# KiCad board distribution.kicad_pcb (continued)
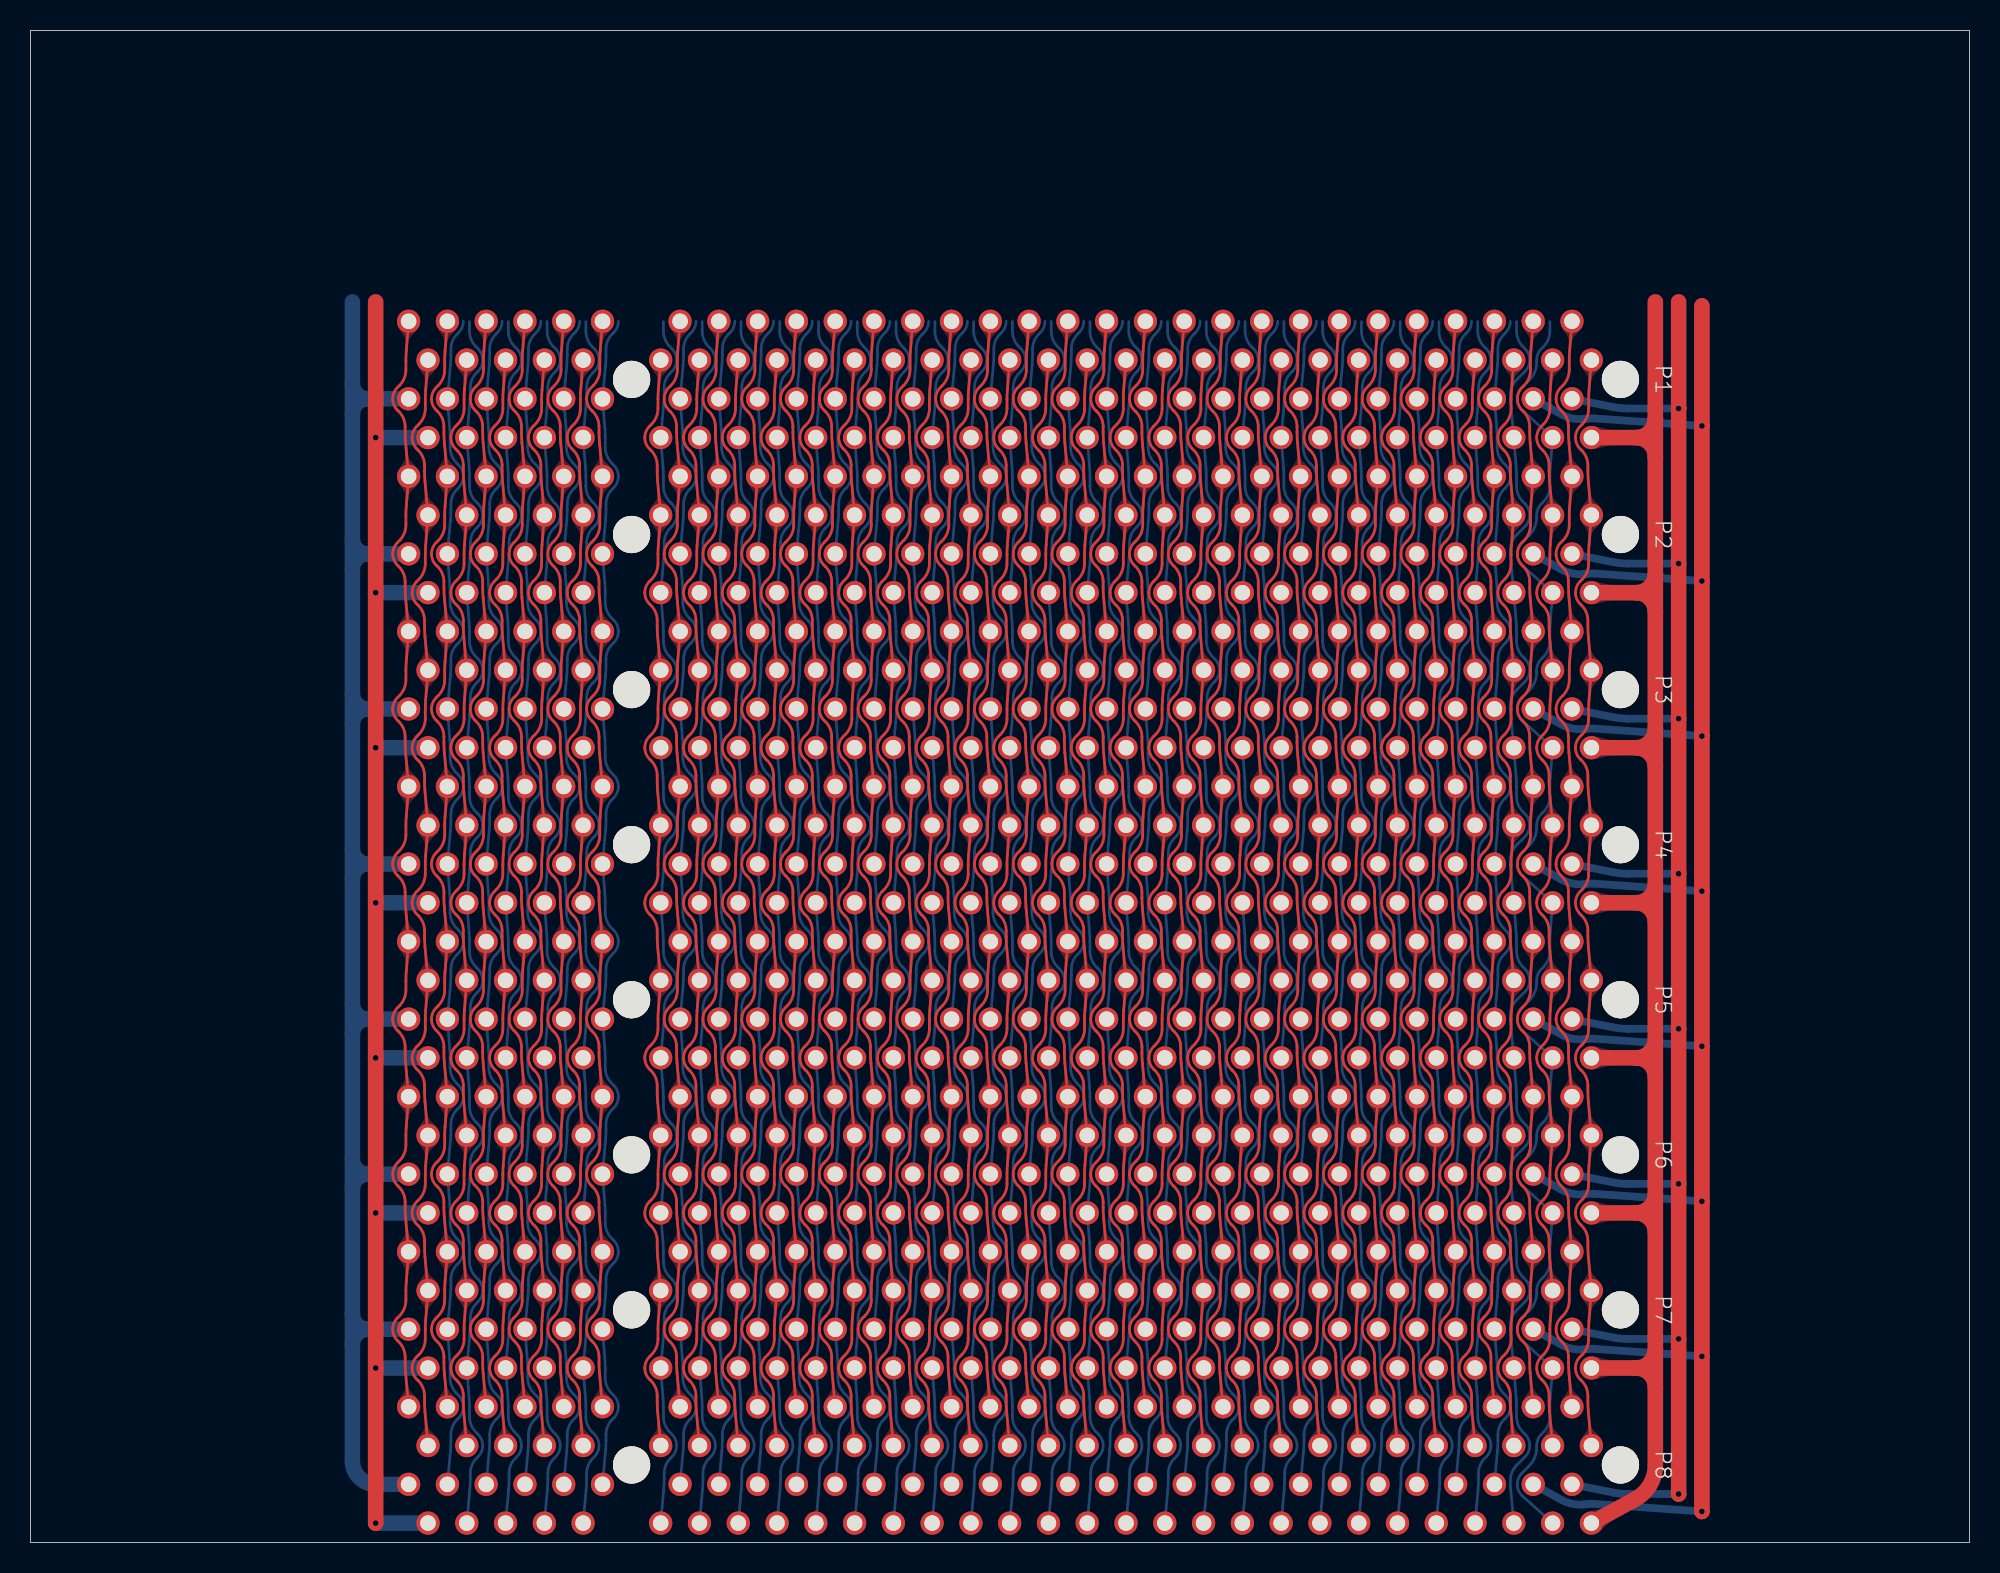
[diagram p0: board, top side]
## Routing (per net, layer and track width the routed paths; a pad name or vN(x,y) marks a point on that pad's centre or on a via; arc(x,y) is an arc through that point) (continued)
K: length 74.6
  Top w0.178: P8.B34 60.13,11.09 arc(60.1,11.43) 60.1,11.77 60.1,12.15 arc(59.99,12.68) 59.69,13.13 59.59,13.23 arc(59.36,13.57) 59.28,13.97 arc(59.36,14.37) 59.59,14.71 59.72,14.83 arc(60.03,15.31) 60.15,15.88 60.15,16.49 arc(60.15,16.79) 60.17,17.09 P7.B34 60.13,21.25 arc(60.1,21.59) 60.1,21.93 60.1,22.31 arc(59.99,22.84) 59.69,23.29 59.59,23.39 arc(59.36,23.73) 59.28,24.13 arc(59.36,24.53) 59.59,24.87 59.72,24.99 arc(60.03,25.47) 60.15,26.04 60.15,26.65 arc(60.15,26.95) 60.17,27.25 P6.B34 60.13,31.41 arc(60.1,31.75) 60.1,32.09 60.1,32.47 arc(59.99,33) 59.69,33.45 59.59,33.55 arc(59.36,33.89) 59.28,34.29 arc(59.36,34.69) 59.59,35.03 59.72,35.15 arc(60.03,35.63) 60.15,36.2 60.15,36.81 arc(60.15,37.11) 60.17,37.41 P5.B34 60.13,41.57 arc(60.1,41.91) 60.1,42.25 60.1,42.63 arc(59.99,43.16) 59.69,43.61 59.59,43.71 arc(59.36,44.05) 59.28,44.45 arc(59.36,44.85) 59.59,45.19 59.72,45.31 arc(60.03,45.79) 60.15,46.36 60.15,46.97 arc(60.15,47.27) 60.17,47.57 P4.B34 60.13,51.73 arc(60.1,52.07) 60.1,52.41 60.1,52.79 arc(59.99,53.32) 59.69,53.77 59.59,53.87 arc(59.36,54.21) 59.28,54.61 arc(59.36,55.01) 59.59,55.35 59.72,55.47 arc(60.03,55.95) 60.15,56.52 60.15,57.13 arc(60.15,57.43) 60.17,57.73 P3.B34 60.13,61.89 arc(60.1,62.23) 60.1,62.57 60.1,62.95 arc(59.99,63.48) 59.69,63.93 59.59,64.03 arc(59.36,64.37) 59.28,64.77 arc(59.36,65.17) 59.59,65.51 59.72,65.63 arc(60.03,66.11) 60.15,66.68 60.15,67.29 arc(60.15,67.59) 60.17,67.89 P2.B34 60.13,72.05 arc(60.1,72.39) 60.1,72.73 60.1,73.11 arc(59.99,73.64) 59.69,74.09 59.59,74.19 arc(59.36,74.53) 59.28,74.93 arc(59.36,75.33) 59.59,75.67 59.72,75.79 arc(60.03,76.27) 60.15,76.84 60.15,77.45 arc(60.15,77.75) 60.17,78.05 P1.B34
K': length 74.6
  Top w0.178: P8.B36 57.59,11.09 arc(57.56,11.43) 57.56,11.77 57.56,12.15 arc(57.45,12.68) 57.15,13.13 57.05,13.23 arc(56.82,13.57) 56.74,13.97 arc(56.82,14.37) 57.05,14.71 57.18,14.83 arc(57.49,15.31) 57.61,15.88 57.61,16.49 arc(57.61,16.79) 57.63,17.09 P7.B36 57.59,21.25 arc(57.56,21.59) 57.56,21.93 57.56,22.31 arc(57.45,22.84) 57.15,23.29 57.05,23.39 arc(56.82,23.73) 56.74,24.13 arc(56.82,24.53) 57.05,24.87 57.18,24.99 arc(57.49,25.47) 57.61,26.04 57.61,26.65 arc(57.61,26.95) 57.63,27.25 P6.B36 57.59,31.41 arc(57.56,31.75) 57.56,32.09 57.56,32.47 arc(57.45,33) 57.15,33.45 57.05,33.55 arc(56.82,33.89) 56.74,34.29 arc(56.82,34.69) 57.05,35.03 57.18,35.15 arc(57.49,35.63) 57.61,36.2 57.61,36.81 arc(57.61,37.11) 57.63,37.41 P5.B36 57.59,41.57 arc(57.56,41.91) 57.56,42.25 57.56,42.63 arc(57.45,43.16) 57.15,43.61 57.05,43.71 arc(56.82,44.05) 56.74,44.45 arc(56.82,44.85) 57.05,45.19 57.18,45.31 arc(57.49,45.79) 57.61,46.36 57.61,46.97 arc(57.61,47.27) 57.63,47.57 P4.B36 57.59,51.73 arc(57.56,52.07) 57.56,52.41 57.56,52.79 arc(57.45,53.32) 57.15,53.77 57.05,53.87 arc(56.82,54.21) 56.74,54.61 arc(56.82,55.01) 57.05,55.35 57.18,55.47 arc(57.49,55.95) 57.61,56.52 57.61,57.13 arc(57.61,57.43) 57.63,57.73 P3.B36 57.59,61.89 arc(57.56,62.23) 57.56,62.57 57.56,62.95 arc(57.45,63.48) 57.15,63.93 57.05,64.03 arc(56.82,64.37) 56.74,64.77 arc(56.82,65.17) 57.05,65.51 57.18,65.63 arc(57.49,66.11) 57.61,66.68 57.61,67.29 arc(57.61,67.59) 57.63,67.89 P2.B36 57.59,72.05 arc(57.56,72.39) 57.56,72.73 57.56,73.11 arc(57.45,73.64) 57.15,74.09 57.05,74.19 arc(56.82,74.53) 56.74,74.93 arc(56.82,75.33) 57.05,75.67 57.18,75.79 arc(57.49,76.27) 57.61,76.84 57.61,77.45 arc(57.61,77.75) 57.63,78.05 P1.B36
Kc: length 74.6
  Top w0.178: 28.58,77.47 28.42,75.51 arc(28.4,75.21) 28.4,74.91 28.4,74.3 arc(28.28,73.73) 27.97,73.25 27.84,73.13 arc(27.61,72.79) 27.53,72.39 arc(27.61,71.99) 27.84,71.65 27.94,71.55 arc(28.24,71.1) 28.35,70.57 28.35,70.19 arc(28.35,69.85) 28.38,69.51 28.58,67.31 28.42,65.35 arc(28.4,65.05) 28.4,64.75 28.4,64.14 arc(28.28,63.57) 27.97,63.09 27.84,62.97 arc(27.61,62.63) 27.53,62.23 arc(27.61,61.83) 27.84,61.49 27.94,61.39 arc(28.24,60.94) 28.35,60.41 28.35,60.03 arc(28.35,59.69) 28.38,59.35 28.58,57.15 28.42,55.19 arc(28.4,54.89) 28.4,54.59 28.4,53.98 arc(28.28,53.41) 27.97,52.93 27.84,52.81 arc(27.61,52.47) 27.53,52.07 arc(27.61,51.67) 27.84,51.33 27.94,51.23 arc(28.24,50.78) 28.35,50.25 28.35,49.87 arc(28.35,49.53) 28.38,49.19 28.58,46.99 28.42,45.03 arc(28.4,44.73) 28.4,44.43 28.4,43.82 arc(28.28,43.25) 27.97,42.77 27.84,42.65 arc(27.61,42.31) 27.53,41.91 arc(27.61,41.51) 27.84,41.17 27.94,41.07 arc(28.24,40.62) 28.35,40.09 28.35,39.71 arc(28.35,39.37) 28.38,39.03 28.58,36.83 28.42,34.87 arc(28.4,34.57) 28.4,34.27 28.4,33.66 arc(28.28,33.09) 27.97,32.61 27.84,32.49 arc(27.61,32.15) 27.53,31.75 arc(27.61,31.35) 27.84,31.01 27.94,30.91 arc(28.24,30.46) 28.35,29.93 28.35,29.55 arc(28.35,29.21) 28.38,28.87 28.58,26.67 28.42,24.71 arc(28.4,24.41) 28.4,24.11 28.4,23.5 arc(28.28,22.93) 27.97,22.45 27.84,22.33 arc(27.61,21.99) 27.53,21.59 arc(27.61,21.19) 27.84,20.85 27.94,20.75 arc(28.24,20.3) 28.35,19.77 28.35,19.39 arc(28.35,19.05) 28.38,18.71 28.58,16.51 28.42,14.55 arc(28.4,14.25) 28.4,13.95 28.4,13.34 arc(28.28,12.77) 27.97,12.29 27.84,12.17 arc(27.61,11.83) 27.53,11.43 arc(27.61,11.03) 27.84,10.69 27.94,10.59 arc(28.24,10.14) 28.35,9.61 28.35,9.23 arc(28.35,8.89) 28.38,8.55 28.58,6.35
O1: length 79.9
  Bottom w0.178: P8.A44 47.82,6.01 arc(47.85,6.35) 47.85,6.69 47.85,7.07 arc(47.96,7.6) 48.26,8.05 48.36,8.15 arc(48.59,8.49) 48.67,8.89 arc(48.59,9.29) 48.36,9.63 48.23,9.75 arc(47.92,10.23) 47.8,10.8 47.8,11.41 arc(47.8,11.71) 47.78,12.01 P7.A44 47.82,16.17 arc(47.85,16.51) 47.85,16.85 47.85,17.23 arc(47.96,17.76) 48.26,18.21 48.36,18.31 arc(48.59,18.65) 48.67,19.05 arc(48.59,19.45) 48.36,19.79 48.23,19.91 arc(47.92,20.39) 47.8,20.96 47.8,21.57 arc(47.8,21.87) 47.78,22.17 P6.A44 47.82,26.33 arc(47.85,26.67) 47.85,27.01 47.85,27.39 arc(47.96,27.92) 48.26,28.37 48.36,28.47 arc(48.59,28.81) 48.67,29.21 arc(48.59,29.61) 48.36,29.95 48.23,30.07 arc(47.92,30.55) 47.8,31.12 47.8,31.73 arc(47.8,32.03) 47.78,32.33 P5.A44 47.82,36.49 arc(47.85,36.83) 47.85,37.17 47.85,37.55 arc(47.96,38.08) 48.26,38.53 48.36,38.63 arc(48.59,38.97) 48.67,39.37 arc(48.59,39.77) 48.36,40.11 48.23,40.23 arc(47.92,40.71) 47.8,41.28 47.8,41.89 arc(47.8,42.19) 47.78,42.49 P4.A44 47.82,46.65 arc(47.85,46.99) 47.85,47.33 47.85,47.71 arc(47.96,48.24) 48.26,48.69 48.36,48.79 arc(48.59,49.13) 48.67,49.53 arc(48.59,49.93) 48.36,50.27 48.23,50.39 arc(47.92,50.87) 47.8,51.44 47.8,52.05 arc(47.8,52.35) 47.78,52.65 P3.A44 47.82,56.81 arc(47.85,57.15) 47.85,57.49 47.85,57.87 arc(47.96,58.4) 48.26,58.85 48.36,58.95 arc(48.59,59.29) 48.67,59.69 arc(48.59,60.09) 48.36,60.43 48.23,60.55 arc(47.92,61.03) 47.8,61.6 47.8,62.21 arc(47.8,62.51) 47.78,62.81 P2.A44 47.82,66.97 arc(47.85,67.31) 47.85,67.65 47.85,68.03 arc(47.96,68.56) 48.26,69.01 48.36,69.11 arc(48.59,69.45) 48.67,69.85 arc(48.59,70.25) 48.36,70.59 48.23,70.71 arc(47.92,71.19) 47.8,71.76 47.8,72.37 arc(47.8,72.67) 47.78,72.97 P1.A44 47.82,77.13 arc(47.85,77.47) 47.85,77.81 47.85,78.19 arc(47.96,78.72) 48.26,79.17 48.36,79.27 arc(48.59,79.61) 48.67,80.01
P1: length 84.2
  Bottom w0.178: 97.33,79.99 97.33,79.38 arc(97.45,78.81) 97.76,78.33 97.89,78.21 arc(98.12,77.87) 98.2,77.47 arc(98.12,77.07) 97.89,76.73 97.36,76.2 arc(97.04,75.72) 96.93,75.16 96.93,74.86 P1.A5 97.31,70.43 arc(97.33,70.13) 97.33,69.83 97.33,69.22 arc(97.45,68.65) 97.76,68.17 97.89,68.05 arc(98.12,67.71) 98.2,67.31 arc(98.12,66.91) 97.89,66.57 97.36,66.04 arc(97.04,65.56) 96.93,65 96.93,64.7 P2.A5 97.31,60.27 arc(97.33,59.97) 97.33,59.67 97.33,59.06 arc(97.45,58.49) 97.76,58.01 97.89,57.89 arc(98.12,57.55) 98.2,57.15 arc(98.12,56.75) 97.89,56.41 97.36,55.88 arc(97.04,55.4) 96.93,54.84 96.93,54.54 P3.A5 97.31,50.11 arc(97.33,49.81) 97.33,49.51 97.33,48.9 arc(97.45,48.33) 97.76,47.85 97.89,47.73 arc(98.12,47.39) 98.2,46.99 arc(98.12,46.59) 97.89,46.25 97.36,45.72 arc(97.04,45.24) 96.93,44.68 96.93,44.38 P4.A5 97.31,39.95 arc(97.33,39.65) 97.33,39.35 97.33,38.74 arc(97.45,38.17) 97.76,37.69 97.89,37.57 arc(98.12,37.23) 98.2,36.83 arc(98.12,36.43) 97.89,36.09 97.36,35.56 arc(97.04,35.08) 96.93,34.52 96.93,34.22 P5.A5 97.31,29.79 arc(97.33,29.49) 97.33,29.19 97.33,28.58 arc(97.45,28.01) 97.76,27.53 97.89,27.41 arc(98.12,27.07) 98.2,26.67 arc(98.12,26.27) 97.89,25.93 97.36,25.4 arc(97.04,24.92) 96.93,24.36 96.93,24.06 P6.A5 97.31,19.63 arc(97.33,19.33) 97.33,19.03 97.33,18.42 arc(97.45,17.85) 97.76,17.37 97.89,17.25 arc(98.12,16.91) 98.2,16.51 arc(98.12,16.11) 97.89,15.77 97.36,15.24 arc(97.04,14.76) 96.93,14.2 96.93,13.9 P7.A5 97.31,9.47 arc(97.33,9.17) 97.33,8.87 97.33,8.26 arc(97.45,7.69) 97.76,7.21 97.89,7.09 arc(98.12,6.75) 98.2,6.35 arc(98.12,5.95) 97.89,5.61 97.36,5.08 arc(97.04,4.6) 96.93,4.04 96.93,3.74 P8.A5
P1b: length 74.6
  Top w0.178: P8.B1 102.04,8.55 arc(102.01,8.89) 102.01,9.23 102.01,9.61 arc(101.9,10.14) 101.6,10.59 101.5,10.69 arc(101.27,11.03) 101.19,11.43 arc(101.27,11.83) 101.5,12.17 101.63,12.29 arc(101.94,12.77) 102.06,13.34 102.06,13.95 arc(102.06,14.25) 102.08,14.55 P7.B1 102.04,18.71 arc(102.01,19.05) 102.01,19.39 102.01,19.77 arc(101.9,20.3) 101.6,20.75 101.5,20.85 arc(101.27,21.19) 101.19,21.59 arc(101.27,21.99) 101.5,22.33 101.63,22.45 arc(101.94,22.93) 102.06,23.5 102.06,24.11 arc(102.06,24.41) 102.08,24.71 P6.B1 102.04,28.87 arc(102.01,29.21) 102.01,29.55 102.01,29.93 arc(101.9,30.46) 101.6,30.91 101.5,31.01 arc(101.27,31.35) 101.19,31.75 arc(101.27,32.15) 101.5,32.49 101.63,32.61 arc(101.94,33.09) 102.06,33.66 102.06,34.27 arc(102.06,34.57) 102.08,34.87 P5.B1 102.04,39.03 arc(102.01,39.37) 102.01,39.71 102.01,40.09 arc(101.9,40.62) 101.6,41.07 101.5,41.17 arc(101.27,41.51) 101.19,41.91 arc(101.27,42.31) 101.5,42.65 101.63,42.77 arc(101.94,43.25) 102.06,43.82 102.06,44.43 arc(102.06,44.73) 102.08,45.03 P4.B1 102.04,49.19 arc(102.01,49.53) 102.01,49.87 102.01,50.25 arc(101.9,50.78) 101.6,51.23 101.5,51.33 arc(101.27,51.67) 101.19,52.07 arc(101.27,52.47) 101.5,52.81 101.63,52.93 arc(101.94,53.41) 102.06,53.98 102.06,54.59 arc(102.06,54.89) 102.08,55.19 P3.B1 102.04,59.35 arc(102.01,59.69) 102.01,60.03 102.01,60.41 arc(101.9,60.94) 101.6,61.39 101.5,61.49 arc(101.27,61.83) 101.19,62.23 arc(101.27,62.63) 101.5,62.97 101.63,63.09 arc(101.94,63.57) 102.06,64.14 102.06,64.75 arc(102.06,65.05) 102.08,65.35 P2.B1 102.04,69.51 arc(102.01,69.85) 102.01,70.19 102.01,70.57 arc(101.9,71.1) 101.6,71.55 101.5,71.65 arc(101.27,71.99) 101.19,72.39 arc(101.27,72.79) 101.5,73.13 101.63,73.25 arc(101.94,73.73) 102.06,74.3 102.06,74.91 arc(102.06,75.21) 102.08,75.51 P1.B1
P2: length 74.6
  Top w0.178: P8.B29 66.48,8.55 arc(66.45,8.89) 66.45,9.23 66.45,9.61 arc(66.34,10.14) 66.04,10.59 65.94,10.69 arc(65.71,11.03) 65.63,11.43 arc(65.71,11.83) 65.94,12.17 66.07,12.29 arc(66.38,12.77) 66.5,13.34 66.5,13.95 arc(66.5,14.25) 66.52,14.55 P7.B29 66.48,18.71 arc(66.45,19.05) 66.45,19.39 66.45,19.77 arc(66.34,20.3) 66.04,20.75 65.94,20.85 arc(65.71,21.19) 65.63,21.59 arc(65.71,21.99) 65.94,22.33 66.07,22.45 arc(66.38,22.93) 66.5,23.5 66.5,24.11 arc(66.5,24.41) 66.52,24.71 P6.B29 66.48,28.87 arc(66.45,29.21) 66.45,29.55 66.45,29.93 arc(66.34,30.46) 66.04,30.91 65.94,31.01 arc(65.71,31.35) 65.63,31.75 arc(65.71,32.15) 65.94,32.49 66.07,32.61 arc(66.38,33.09) 66.5,33.66 66.5,34.27 arc(66.5,34.57) 66.52,34.87 P5.B29 66.48,39.03 arc(66.45,39.37) 66.45,39.71 66.45,40.09 arc(66.34,40.62) 66.04,41.07 65.94,41.17 arc(65.71,41.51) 65.63,41.91 arc(65.71,42.31) 65.94,42.65 66.07,42.77 arc(66.38,43.25) 66.5,43.82 66.5,44.43 arc(66.5,44.73) 66.52,45.03 P4.B29 66.48,49.19 arc(66.45,49.53) 66.45,49.87 66.45,50.25 arc(66.34,50.78) 66.04,51.23 65.94,51.33 arc(65.71,51.67) 65.63,52.07 arc(65.71,52.47) 65.94,52.81 66.07,52.93 arc(66.38,53.41) 66.5,53.98 66.5,54.59 arc(66.5,54.89) 66.52,55.19 P3.B29 66.48,59.35 arc(66.45,59.69) 66.45,60.03 66.45,60.41 arc(66.34,60.94) 66.04,61.39 65.94,61.49 arc(65.71,61.83) 65.63,62.23 arc(65.71,62.63) 65.94,62.97 66.07,63.09 arc(66.38,63.57) 66.5,64.14 66.5,64.75 arc(66.5,65.05) 66.52,65.35 P2.B29 66.48,69.51 arc(66.45,69.85) 66.45,70.19 66.45,70.57 arc(66.34,71.1) 66.04,71.55 65.94,71.65 arc(65.71,71.99) 65.63,72.39 arc(65.71,72.79) 65.94,73.13 66.07,73.25 arc(66.38,73.73) 66.5,74.3 66.5,74.91 arc(66.5,75.21) 66.52,75.51 P1.B29
P3: length 74.6
  Top w0.178: P8.B32 62.67,11.09 arc(62.64,11.43) 62.64,11.77 62.64,12.15 arc(62.53,12.68) 62.23,13.13 62.13,13.23 arc(61.9,13.57) 61.82,13.97 arc(61.9,14.37) 62.13,14.71 62.26,14.83 arc(62.57,15.31) 62.69,15.88 62.69,16.49 arc(62.69,16.79) 62.71,17.09 P7.B32 62.67,21.25 arc(62.64,21.59) 62.64,21.93 62.64,22.31 arc(62.53,22.84) 62.23,23.29 62.13,23.39 arc(61.9,23.73) 61.82,24.13 arc(61.9,24.53) 62.13,24.87 62.26,24.99 arc(62.57,25.47) 62.69,26.04 62.69,26.65 arc(62.69,26.95) 62.71,27.25 P6.B32 62.67,31.41 arc(62.64,31.75) 62.64,32.09 62.64,32.47 arc(62.53,33) 62.23,33.45 62.13,33.55 arc(61.9,33.89) 61.82,34.29 arc(61.9,34.69) 62.13,35.03 62.26,35.15 arc(62.57,35.63) 62.69,36.2 62.69,36.81 arc(62.69,37.11) 62.71,37.41 P5.B32 62.67,41.57 arc(62.64,41.91) 62.64,42.25 62.64,42.63 arc(62.53,43.16) 62.23,43.61 62.13,43.71 arc(61.9,44.05) 61.82,44.45 arc(61.9,44.85) 62.13,45.19 62.26,45.31 arc(62.57,45.79) 62.69,46.36 62.69,46.97 arc(62.69,47.27) 62.71,47.57 P4.B32 62.67,51.73 arc(62.64,52.07) 62.64,52.41 62.64,52.79 arc(62.53,53.32) 62.23,53.77 62.13,53.87 arc(61.9,54.21) 61.82,54.61 arc(61.9,55.01) 62.13,55.35 62.26,55.47 arc(62.57,55.95) 62.69,56.52 62.69,57.13 arc(62.69,57.43) 62.71,57.73 P3.B32 62.67,61.89 arc(62.64,62.23) 62.64,62.57 62.64,62.95 arc(62.53,63.48) 62.23,63.93 62.13,64.03 arc(61.9,64.37) 61.82,64.77 arc(61.9,65.17) 62.13,65.51 62.26,65.63 arc(62.57,66.11) 62.69,66.68 62.69,67.29 arc(62.69,67.59) 62.71,67.89 P2.B32 62.67,72.05 arc(62.64,72.39) 62.64,72.73 62.64,73.11 arc(62.53,73.64) 62.23,74.09 62.13,74.19 arc(61.9,74.53) 61.82,74.93 arc(61.9,75.33) 62.13,75.67 62.26,75.79 arc(62.57,76.27) 62.69,76.84 62.69,77.45 arc(62.69,77.75) 62.71,78.05 P1.B32
P4: length 74.6
  Top w0.178: 64.14,77.47 63.98,75.51 arc(63.96,75.21) 63.96,74.91 63.96,74.3 arc(63.84,73.73) 63.53,73.25 63.4,73.13 arc(63.17,72.79) 63.09,72.39 arc(63.17,71.99) 63.4,71.65 63.5,71.55 arc(63.8,71.1) 63.91,70.57 63.91,70.19 arc(63.91,69.85) 63.94,69.51 64.14,67.31 63.98,65.35 arc(63.96,65.05) 63.96,64.75 63.96,64.14 arc(63.84,63.57) 63.53,63.09 63.4,62.97 arc(63.17,62.63) 63.09,62.23 arc(63.17,61.83) 63.4,61.49 63.5,61.39 arc(63.8,60.94) 63.91,60.41 63.91,60.03 arc(63.91,59.69) 63.94,59.35 64.14,57.15 63.98,55.19 arc(63.96,54.89) 63.96,54.59 63.96,53.98 arc(63.84,53.41) 63.53,52.93 63.4,52.81 arc(63.17,52.47) 63.09,52.07 arc(63.17,51.67) 63.4,51.33 63.5,51.23 arc(63.8,50.78) 63.91,50.25 63.91,49.87 arc(63.91,49.53) 63.94,49.19 64.14,46.99 63.98,45.03 arc(63.96,44.73) 63.96,44.43 63.96,43.82 arc(63.84,43.25) 63.53,42.77 63.4,42.65 arc(63.17,42.31) 63.09,41.91 arc(63.17,41.51) 63.4,41.17 63.5,41.07 arc(63.8,40.62) 63.91,40.09 63.91,39.71 arc(63.91,39.37) 63.94,39.03 64.14,36.83 63.98,34.87 arc(63.96,34.57) 63.96,34.27 63.96,33.66 arc(63.84,33.09) 63.53,32.61 63.4,32.49 arc(63.17,32.15) 63.09,31.75 arc(63.17,31.35) 63.4,31.01 63.5,30.91 arc(63.8,30.46) 63.91,29.93 63.91,29.55 arc(63.91,29.21) 63.94,28.87 64.14,26.67 63.98,24.71 arc(63.96,24.41) 63.96,24.11 63.96,23.5 arc(63.84,22.93) 63.53,22.45 63.4,22.33 arc(63.17,21.99) 63.09,21.59 arc(63.17,21.19) 63.4,20.85 63.5,20.75 arc(63.8,20.3) 63.91,19.77 63.91,19.39 arc(63.91,19.05) 63.94,18.71 64.14,16.51 63.98,14.55 arc(63.96,14.25) 63.96,13.95 63.96,13.34 arc(63.84,12.77) 63.53,12.29 63.4,12.17 arc(63.17,11.83) 63.09,11.43 arc(63.17,11.03) 63.4,10.69 63.5,10.59 arc(63.8,10.14) 63.91,9.61 63.91,9.23 arc(63.91,8.89) 63.94,8.55 64.14,6.35
P5: length 74.6
  Top w0.178: P1.B19 79.22,75.51 arc(79.2,75.21) 79.2,74.91 79.2,74.3 arc(79.08,73.73) 78.77,73.25 78.64,73.13 arc(78.41,72.79) 78.33,72.39 arc(78.41,71.99) 78.64,71.65 78.74,71.55 arc(79.04,71.1) 79.15,70.57 79.15,70.19 arc(79.15,69.85) 79.18,69.51 P2.B19 79.22,65.35 arc(79.2,65.05) 79.2,64.75 79.2,64.14 arc(79.08,63.57) 78.77,63.09 78.64,62.97 arc(78.41,62.63) 78.33,62.23 arc(78.41,61.83) 78.64,61.49 78.74,61.39 arc(79.04,60.94) 79.15,60.41 79.15,60.03 arc(79.15,59.69) 79.18,59.35 P3.B19 79.22,55.19 arc(79.2,54.89) 79.2,54.59 79.2,53.98 arc(79.08,53.41) 78.77,52.93 78.64,52.81 arc(78.41,52.47) 78.33,52.07 arc(78.41,51.67) 78.64,51.33 78.74,51.23 arc(79.04,50.78) 79.15,50.25 79.15,49.87 arc(79.15,49.53) 79.18,49.19 P4.B19 79.22,45.03 arc(79.2,44.73) 79.2,44.43 79.2,43.82 arc(79.08,43.25) 78.77,42.77 78.64,42.65 arc(78.41,42.31) 78.33,41.91 arc(78.41,41.51) 78.64,41.17 78.74,41.07 arc(79.04,40.62) 79.15,40.09 79.15,39.71 arc(79.15,39.37) 79.18,39.03 P5.B19 79.22,34.87 arc(79.2,34.57) 79.2,34.27 79.2,33.66 arc(79.08,33.09) 78.77,32.61 78.64,32.49 arc(78.41,32.15) 78.33,31.75 arc(78.41,31.35) 78.64,31.01 78.74,30.91 arc(79.04,30.46) 79.15,29.93 79.15,29.55 arc(79.15,29.21) 79.18,28.87 P6.B19 79.22,24.71 arc(79.2,24.41) 79.2,24.11 79.2,23.5 arc(79.08,22.93) 78.77,22.45 78.64,22.33 arc(78.41,21.99) 78.33,21.59 arc(78.41,21.19) 78.64,20.85 78.74,20.75 arc(79.04,20.3) 79.15,19.77 79.15,19.39 arc(79.15,19.05) 79.18,18.71 P7.B19 79.22,14.55 arc(79.2,14.25) 79.2,13.95 79.2,13.34 arc(79.08,12.77) 78.77,12.29 78.64,12.17 arc(78.41,11.83) 78.33,11.43 arc(78.41,11.03) 78.64,10.69 78.74,10.59 arc(79.04,10.14) 79.15,9.61 79.15,9.23 arc(79.15,8.89) 79.18,8.55 P8.B19
P5a: length 82.7
  Bottom w0.178: 77.01,79.99 77.01,79.38 arc(77.13,78.81) 77.44,78.33 77.57,78.21 arc(77.8,77.87) 77.88,77.47 arc(77.8,77.07) 77.57,76.73 77.47,76.63 arc(77.17,76.18) 77.06,75.65 77.06,75.27 arc(77.06,74.93) 77.03,74.59 P1.A21 76.99,70.43 arc(77.01,70.13) 77.01,69.83 77.01,69.22 arc(77.13,68.65) 77.44,68.17 77.57,68.05 arc(77.8,67.71) 77.88,67.31 arc(77.8,66.91) 77.57,66.57 77.47,66.47 arc(77.17,66.02) 77.06,65.49 77.06,65.11 arc(77.06,64.77) 77.03,64.43 P2.A21 76.99,60.27 arc(77.01,59.97) 77.01,59.67 77.01,59.06 arc(77.13,58.49) 77.44,58.01 77.57,57.89 arc(77.8,57.55) 77.88,57.15 arc(77.8,56.75) 77.57,56.41 77.47,56.31 arc(77.17,55.86) 77.06,55.33 77.06,54.95 arc(77.06,54.61) 77.03,54.27 P3.A21 76.99,50.11 arc(77.01,49.81) 77.01,49.51 77.01,48.9 arc(77.13,48.33) 77.44,47.85 77.57,47.73 arc(77.8,47.39) 77.88,46.99 arc(77.8,46.59) 77.57,46.25 77.47,46.15 arc(77.17,45.7) 77.06,45.17 77.06,44.79 arc(77.06,44.45) 77.03,44.11 P4.A21 76.99,39.95 arc(77.01,39.65) 77.01,39.35 77.01,38.74 arc(77.13,38.17) 77.44,37.69 77.57,37.57 arc(77.8,37.23) 77.88,36.83 arc(77.8,36.43) 77.57,36.09 77.47,35.99 arc(77.17,35.54) 77.06,35.01 77.06,34.63 arc(77.06,34.29) 77.03,33.95 P5.A21 76.99,29.79 arc(77.01,29.49) 77.01,29.19 77.01,28.58 arc(77.13,28.01) 77.44,27.53 77.57,27.41 arc(77.8,27.07) 77.88,26.67 arc(77.8,26.27) 77.57,25.93 77.47,25.83 arc(77.17,25.38) 77.06,24.85 77.06,24.47 arc(77.06,24.13) 77.03,23.79 P6.A21 76.99,19.63 arc(77.01,19.33) 77.01,19.03 77.01,18.42 arc(77.13,17.85) 77.44,17.37 77.57,17.25 arc(77.8,16.91) 77.88,16.51 arc(77.8,16.11) 77.57,15.77 77.47,15.67 arc(77.17,15.22) 77.06,14.69 77.06,14.31 arc(77.06,13.97) 77.03,13.63 P7.A21 76.99,9.47 arc(77.01,9.17) 77.01,8.87 77.01,8.26 arc(77.13,7.69) 77.44,7.21 77.57,7.09 arc(77.8,6.75) 77.88,6.35 arc(77.8,5.95) 77.57,5.61 77.47,5.51 arc(77.17,5.06) 77.06,4.53 77.06,4.15 arc(77.06,3.81) 77.03,3.47 P8.A21
P6: length 74.6
  Top w0.178: P8.B28 67.75,11.09 arc(67.72,11.43) 67.72,11.77 67.72,12.15 arc(67.61,12.68) 67.31,13.13 67.21,13.23 arc(66.98,13.57) 66.9,13.97 arc(66.98,14.37) 67.21,14.71 67.34,14.83 arc(67.65,15.31) 67.77,15.88 67.77,16.49 arc(67.77,16.79) 67.79,17.09 P7.B28 67.75,21.25 arc(67.72,21.59) 67.72,21.93 67.72,22.31 arc(67.61,22.84) 67.31,23.29 67.21,23.39 arc(66.98,23.73) 66.9,24.13 arc(66.98,24.53) 67.21,24.87 67.34,24.99 arc(67.65,25.47) 67.77,26.04 67.77,26.65 arc(67.77,26.95) 67.79,27.25 P6.B28 67.75,31.41 arc(67.72,31.75) 67.72,32.09 67.72,32.47 arc(67.61,33) 67.31,33.45 67.21,33.55 arc(66.98,33.89) 66.9,34.29 arc(66.98,34.69) 67.21,35.03 67.34,35.15 arc(67.65,35.63) 67.77,36.2 67.77,36.81 arc(67.77,37.11) 67.79,37.41 P5.B28 67.75,41.57 arc(67.72,41.91) 67.72,42.25 67.72,42.63 arc(67.61,43.16) 67.31,43.61 67.21,43.71 arc(66.98,44.05) 66.9,44.45 arc(66.98,44.85) 67.21,45.19 67.34,45.31 arc(67.65,45.79) 67.77,46.36 67.77,46.97 arc(67.77,47.27) 67.79,47.57 P4.B28 67.75,51.73 arc(67.72,52.07) 67.72,52.41 67.72,52.79 arc(67.61,53.32) 67.31,53.77 67.21,53.87 arc(66.98,54.21) 66.9,54.61 arc(66.98,55.01) 67.21,55.35 67.34,55.47 arc(67.65,55.95) 67.77,56.52 67.77,57.13 arc(67.77,57.43) 67.79,57.73 P3.B28 67.75,61.89 arc(67.72,62.23) 67.72,62.57 67.72,62.95 arc(67.61,63.48) 67.31,63.93 67.21,64.03 arc(66.98,64.37) 66.9,64.77 arc(66.98,65.17) 67.21,65.51 67.34,65.63 arc(67.65,66.11) 67.77,66.68 67.77,67.29 arc(67.77,67.59) 67.79,67.89 P2.B28 67.75,72.05 arc(67.72,72.39) 67.72,72.73 67.72,73.11 arc(67.61,73.64) 67.31,74.09 67.21,74.19 arc(66.98,74.53) 66.9,74.93 arc(66.98,75.33) 67.21,75.67 67.34,75.79 arc(67.65,76.27) 67.77,76.84 67.77,77.45 arc(67.77,77.75) 67.79,78.05 P1.B28
P6a: length 82.7
  Bottom w0.178: 71.93,79.99 71.93,79.38 arc(72.05,78.81) 72.36,78.33 72.49,78.21 arc(72.72,77.87) 72.8,77.47 arc(72.72,77.07) 72.49,76.73 72.39,76.63 arc(72.09,76.18) 71.98,75.65 71.98,75.27 arc(71.98,74.93) 71.95,74.59 71.76,72.39 71.91,70.43 arc(71.93,70.13) 71.93,69.83 71.93,69.22 arc(72.05,68.65) 72.36,68.17 72.49,68.05 arc(72.72,67.71) 72.8,67.31 arc(72.72,66.91) 72.49,66.57 72.39,66.47 arc(72.09,66.02) 71.98,65.49 71.98,65.11 arc(71.98,64.77) 71.95,64.43 71.76,62.23 71.91,60.27 arc(71.93,59.97) 71.93,59.67 71.93,59.06 arc(72.05,58.49) 72.36,58.01 72.49,57.89 arc(72.72,57.55) 72.8,57.15 arc(72.72,56.75) 72.49,56.41 72.39,56.31 arc(72.09,55.86) 71.98,55.33 71.98,54.95 arc(71.98,54.61) 71.95,54.27 71.76,52.07 71.91,50.11 arc(71.93,49.81) 71.93,49.51 71.93,48.9 arc(72.05,48.33) 72.36,47.85 72.49,47.73 arc(72.72,47.39) 72.8,46.99 arc(72.72,46.59) 72.49,46.25 72.39,46.15 arc(72.09,45.7) 71.98,45.17 71.98,44.79 arc(71.98,44.45) 71.95,44.11 71.76,41.91 71.91,39.95 arc(71.93,39.65) 71.93,39.35 71.93,38.74 arc(72.05,38.17) 72.36,37.69 72.49,37.57 arc(72.72,37.23) 72.8,36.83 arc(72.72,36.43) 72.49,36.09 72.39,35.99 arc(72.09,35.54) 71.98,35.01 71.98,34.63 arc(71.98,34.29) 71.95,33.95 71.76,31.75 71.91,29.79 arc(71.93,29.49) 71.93,29.19 71.93,28.58 arc(72.05,28.01) 72.36,27.53 72.49,27.41 arc(72.72,27.07) 72.8,26.67 arc(72.72,26.27) 72.49,25.93 72.39,25.83 arc(72.09,25.38) 71.98,24.85 71.98,24.47 arc(71.98,24.13) 71.95,23.79 71.76,21.59 71.91,19.63 arc(71.93,19.33) 71.93,19.03 71.93,18.42 arc(72.05,17.85) 72.36,17.37 72.49,17.25 arc(72.72,16.91) 72.8,16.51 arc(72.72,16.11) 72.49,15.77 72.39,15.67 arc(72.09,15.22) 71.98,14.69 71.98,14.31 arc(71.98,13.97) 71.95,13.63 71.76,11.43 71.91,9.47 arc(71.93,9.17) 71.93,8.87 71.93,8.26 arc(72.05,7.69) 72.36,7.21 72.49,7.09 arc(72.72,6.75) 72.8,6.35 arc(72.72,5.95) 72.49,5.61 72.39,5.51 arc(72.09,5.06) 71.98,4.53 71.98,4.15 arc(71.98,3.81) 71.95,3.47 71.76,1.27
Q1: length 82.7
  Bottom w0.178: 31.29,79.99 31.29,79.38 arc(31.41,78.81) 31.72,78.33 31.85,78.21 arc(32.08,77.87) 32.16,77.47 arc(32.08,77.07) 31.85,76.73 31.75,76.63 arc(31.45,76.18) 31.34,75.65 31.34,75.27 arc(31.34,74.93) 31.31,74.59 P1.A57 31.27,70.43 arc(31.29,70.13) 31.29,69.83 31.29,69.22 arc(31.41,68.65) 31.72,68.17 31.85,68.05 arc(32.08,67.71) 32.16,67.31 arc(32.08,66.91) 31.85,66.57 31.75,66.47 arc(31.45,66.02) 31.34,65.49 31.34,65.11 arc(31.34,64.77) 31.31,64.43 P2.A57 31.27,60.27 arc(31.29,59.97) 31.29,59.67 31.29,59.06 arc(31.41,58.49) 31.72,58.01 31.85,57.89 arc(32.08,57.55) 32.16,57.15 arc(32.08,56.75) 31.85,56.41 31.75,56.31 arc(31.45,55.86) 31.34,55.33 31.34,54.95 arc(31.34,54.61) 31.31,54.27 P3.A57 31.27,50.11 arc(31.29,49.81) 31.29,49.51 31.29,48.9 arc(31.41,48.33) 31.72,47.85 31.85,47.73 arc(32.08,47.39) 32.16,46.99 arc(32.08,46.59) 31.85,46.25 31.75,46.15 arc(31.45,45.7) 31.34,45.17 31.34,44.79 arc(31.34,44.45) 31.31,44.11 P4.A57 31.27,39.95 arc(31.29,39.65) 31.29,39.35 31.29,38.74 arc(31.41,38.17) 31.72,37.69 31.85,37.57 arc(32.08,37.23) 32.16,36.83 arc(32.08,36.43) 31.85,36.09 31.75,35.99 arc(31.45,35.54) 31.34,35.01 31.34,34.63 arc(31.34,34.29) 31.31,33.95 P5.A57 31.27,29.79 arc(31.29,29.49) 31.29,29.19 31.29,28.58 arc(31.41,28.01) 31.72,27.53 31.85,27.41 arc(32.08,27.07) 32.16,26.67 arc(32.08,26.27) 31.85,25.93 31.75,25.83 arc(31.45,25.38) 31.34,24.85 31.34,24.47 arc(31.34,24.13) 31.31,23.79 P6.A57 31.27,19.63 arc(31.29,19.33) 31.29,19.03 31.29,18.42 arc(31.41,17.85) 31.72,17.37 31.85,17.25 arc(32.08,16.91) 32.16,16.51 arc(32.08,16.11) 31.85,15.77 31.75,15.67 arc(31.45,15.22) 31.34,14.69 31.34,14.31 arc(31.34,13.97) 31.31,13.63 P7.A57 31.27,9.47 arc(31.29,9.17) 31.29,8.87 31.29,8.26 arc(31.41,7.69) 31.72,7.21 31.85,7.09 arc(32.08,6.75) 32.16,6.35 arc(32.08,5.95) 31.85,5.61 31.75,5.51 arc(31.45,5.06) 31.34,4.53 31.34,4.15 arc(31.34,3.81) 31.31,3.47 P8.A57
Q1b: length 79.9
  Bottom w0.178: P8.A38 55.44,6.01 arc(55.47,6.35) 55.47,6.69 55.47,7.07 arc(55.58,7.6) 55.88,8.05 55.98,8.15 arc(56.21,8.49) 56.29,8.89 arc(56.21,9.29) 55.98,9.63 55.85,9.75 arc(55.54,10.23) 55.42,10.8 55.42,11.41 arc(55.42,11.71) 55.4,12.01 P7.A38 55.44,16.17 arc(55.47,16.51) 55.47,16.85 55.47,17.23 arc(55.58,17.76) 55.88,18.21 55.98,18.31 arc(56.21,18.65) 56.29,19.05 arc(56.21,19.45) 55.98,19.79 55.85,19.91 arc(55.54,20.39) 55.42,20.96 55.42,21.57 arc(55.42,21.87) 55.4,22.17 P6.A38 55.44,26.33 arc(55.47,26.67) 55.47,27.01 55.47,27.39 arc(55.58,27.92) 55.88,28.37 55.98,28.47 arc(56.21,28.81) 56.29,29.21 arc(56.21,29.61) 55.98,29.95 55.85,30.07 arc(55.54,30.55) 55.42,31.12 55.42,31.73 arc(55.42,32.03) 55.4,32.33 P5.A38 55.44,36.49 arc(55.47,36.83) 55.47,37.17 55.47,37.55 arc(55.58,38.08) 55.88,38.53 55.98,38.63 arc(56.21,38.97) 56.29,39.37 arc(56.21,39.77) 55.98,40.11 55.85,40.23 arc(55.54,40.71) 55.42,41.28 55.42,41.89 arc(55.42,42.19) 55.4,42.49 P4.A38 55.44,46.65 arc(55.47,46.99) 55.47,47.33 55.47,47.71 arc(55.58,48.24) 55.88,48.69 55.98,48.79 arc(56.21,49.13) 56.29,49.53 arc(56.21,49.93) 55.98,50.27 55.85,50.39 arc(55.54,50.87) 55.42,51.44 55.42,52.05 arc(55.42,52.35) 55.4,52.65 P3.A38 55.44,56.81 arc(55.47,57.15) 55.47,57.49 55.47,57.87 arc(55.58,58.4) 55.88,58.85 55.98,58.95 arc(56.21,59.29) 56.29,59.69 arc(56.21,60.09) 55.98,60.43 55.85,60.55 arc(55.54,61.03) 55.42,61.6 55.42,62.21 arc(55.42,62.51) 55.4,62.81 P2.A38 55.44,66.97 arc(55.47,67.31) 55.47,67.65 55.47,68.03 arc(55.58,68.56) 55.88,69.01 55.98,69.11 arc(56.21,69.45) 56.29,69.85 arc(56.21,70.25) 55.98,70.59 55.85,70.71 arc(55.54,71.19) 55.42,71.76 55.42,72.37 arc(55.42,72.67) 55.4,72.97 P1.A38 55.44,77.13 arc(55.47,77.47) 55.47,77.81 55.47,78.19 arc(55.58,78.72) 55.88,79.17 55.98,79.27 arc(56.21,79.61) 56.29,80.01